# Altium PCB MiniPC.PcbDoc (part 12 of 23) (continued)
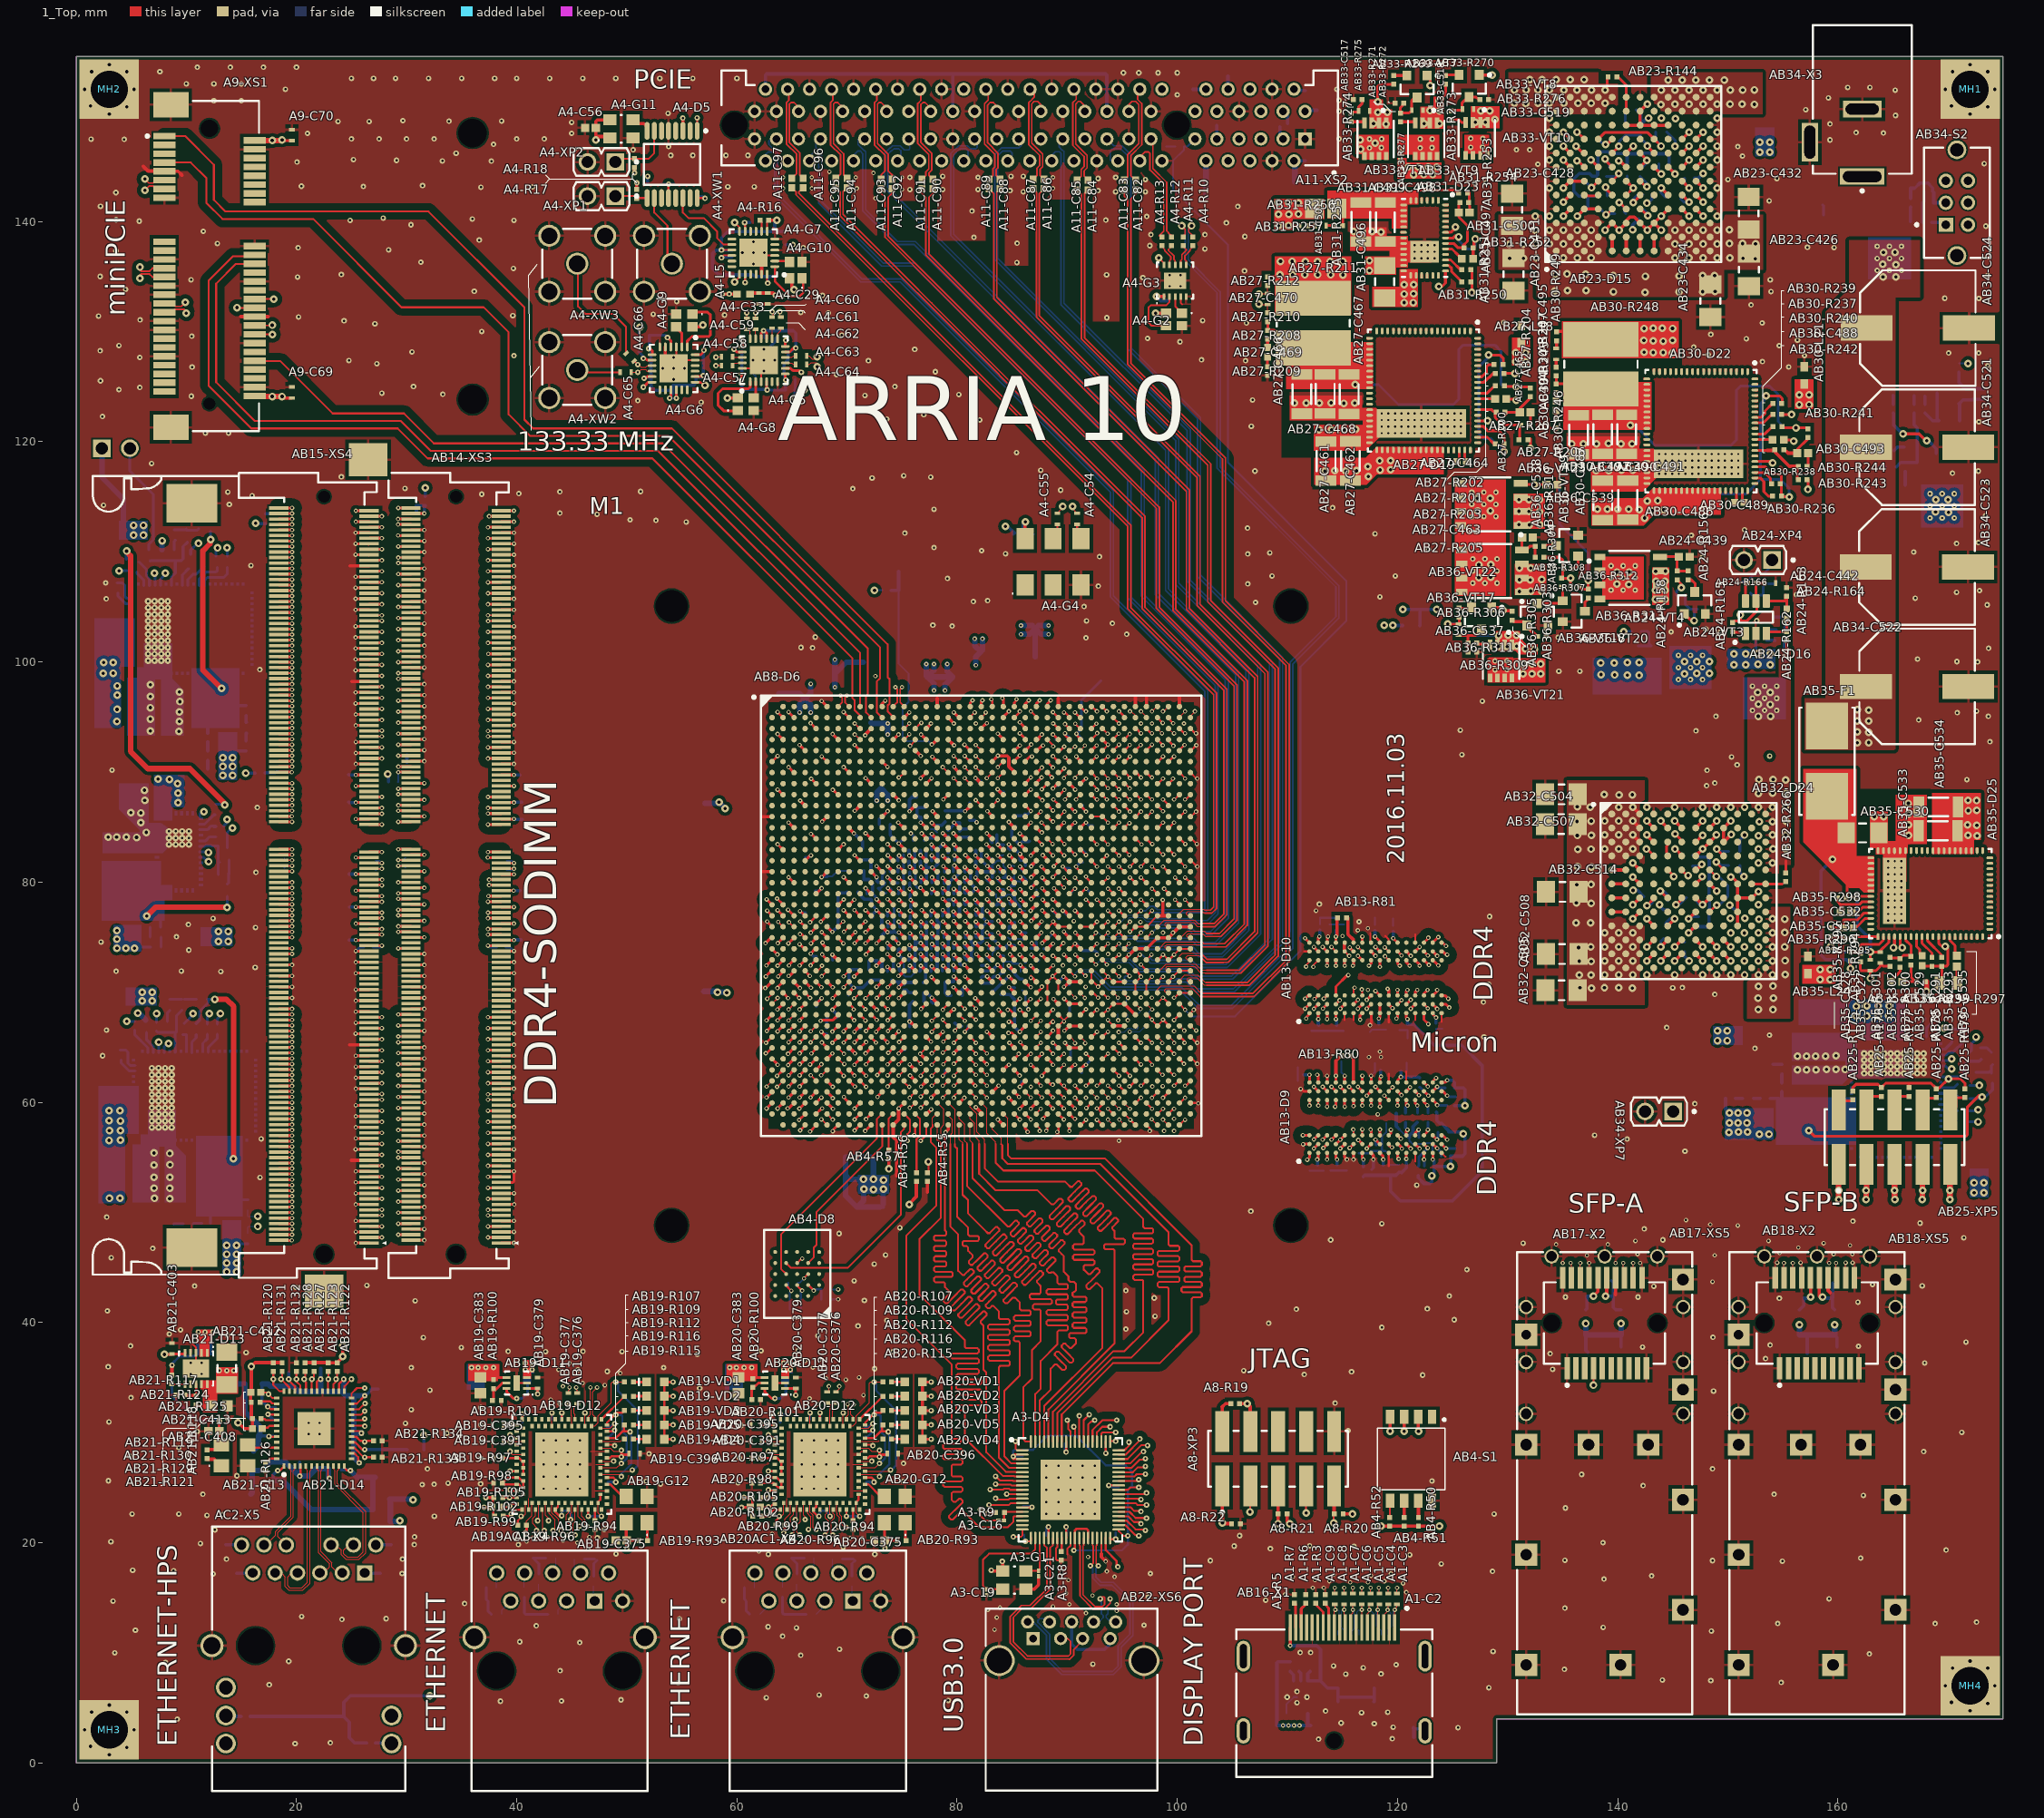
[diagram p0: 1_Top view]
## Nets (pads, with @x,y where several pads share a name; then routed paths per layer and width w, separated by ;. In a path a pad name is that pad's centre, name@x,y a point inside that pad or via, vN(x,y) a via of type N, cw(c..) or ccw(c..) an arc to the next point about the centre after c; other vN are vias at no path point) (continued)
  12_int11_(sign) w0.15: v1(27.75,96.725) 28.4,96.075 29.625,96.075 30.025,96.475 32.025,96.475 32.275,96.725 v1(37.398,96.725)
DDR4_BLK1.DL6.DQ45: AB8-D6.AD5 AB14-XS3.190 AB15-XS4.190 | length 86.6
  1_Top w0.25: AB15-XS4.190@18.4,96.475 v1(19.602,96.475) ; v1(29.25,96.475) AB14-XS3.190@30.4,96.475 ; v1(66.694,72.439) AB8-D6.AD5@67.194,72.939
  5_int4_(sign) w0.15: v1(29.25,96.475) 29.275,96.5 32.15,96.5 36.875,91.775 37.65,91.775 38.2,91.225 40.25,91.225 40.7,90.775 40.7,74.45 41.319,73.831 42.775,73.831 42.925,73.981 42.925,74.849 43.075,74.999 43.375,74.999 43.525,74.849 43.525,73.981 43.675,73.831 43.975,73.831 44.125,73.981 44.125,74.849 44.275,74.999 44.575,74.999 44.725,74.849 44.725,73.981 44.875,73.831 45.175,73.831 45.325,73.981 45.325,74.849 45.475,74.999 45.775,74.999 45.925,74.849 45.925,73.981 46.075,73.831 46.375,73.831 46.525,73.981 46.525,74.849 46.675,74.999 46.975,74.999 47.125,74.849 47.125,73.981 47.275,73.831 47.575,73.831 47.725,73.981 47.725,74.849 47.875,74.999 48.175,74.999 48.325,74.849 48.325,73.981 48.475,73.831 48.775,73.831 48.925,73.981 48.925,74.849 49.075,74.999 49.375,74.999 49.525,74.849 49.525,73.981 49.675,73.831 49.975,73.831 50.125,73.981 50.125,74.849 50.275,74.999 50.575,74.999 50.725,74.849 50.725,73.981 50.875,73.831 51.175,73.831 51.325,73.981 51.325,74.849 51.475,74.999 51.775,74.999 51.925,74.849 51.925,73.981 52.075,73.831 56.669,73.831 57.223,73.277 60.296,73.277 61.712,71.86 66.115,71.86 v1(66.694,72.439)
  10_int9_(sign) w0.15: v1(19.602,96.475) 20.4,96.475 20.65,96.725 25.75,96.725 26.2,97.175 28.45,97.175 29.15,96.475 v1(29.25,96.475)
DDR4_BLK1.DL6.DQ46: AB8-D6.AB6 AB14-XS3.203 AB15-XS4.203 | length 90.2
  1_Top w0.25: AB15-XS4.203@26.6,99.725 v1(27.75,99.725) ; v1(37.398,99.725) AB14-XS3.203@38.6,99.725 ; v1(67.7,75.45) 68.194,74.956 AB8-D6.AB6@68.194,74.939
  5_int4_(sign) w0.15: v1(37.398,99.725) 43.975,99.725 44.231,99.469 44.443,99.469 45.189,100.215 45.401,100.215 45.614,100.003 45.614,99.791 44.682,98.859 44.682,98.647 44.894,98.435 45.106,98.435 46.07,99.398 46.282,99.398 46.494,99.186 46.494,98.974 45.61,98.09 45.53,98.011 45.53,97.798 45.743,97.586 45.955,97.586 46.034,97.666 46.918,98.55 47.13,98.55 47.342,98.338 47.342,98.125 46.458,97.242 46.379,97.162 46.379,96.95 46.591,96.738 46.803,96.738 47.767,97.701 47.979,97.701 48.191,97.489 48.191,97.277 47.307,96.393 47.227,96.314 47.227,96.101 47.44,95.889 47.652,95.889 47.731,95.969 48.615,96.853 48.827,96.853 49.039,96.641 49.039,96.428 48.155,95.545 48.076,95.465 48.076,95.253 48.288,95.041 48.5,95.041 49.464,96.004 49.676,96.004 49.888,95.792 49.888,95.58 49.004,94.696 48.925,94.616 48.925,94.404 49.137,94.192 49.349,94.192 49.428,94.272 50.312,95.156 50.524,95.156 50.736,94.943 50.736,94.731 49.853,93.847 48.969,92.964 48.969,92.751 49.181,92.539 49.393,92.539 51.161,94.307 51.373,94.307 51.585,94.095 51.585,93.883 50.807,93.105 50.807,92.893 51.125,92.575 51.125,92.225 51.275,92.075 52.375,92.075 52.525,91.925 52.525,91.625 52.375,91.475 51.02,91.475 50.87,91.325 50.87,91.025 51.02,90.875 52.375,90.875 52.525,90.725 52.525,90.425 52.375,90.275 51.02,90.275 50.87,90.125 50.87,89.825 51.125,89.57 51.125,89.025 51.981,88.169 52.193,88.169 52.86,88.835 53.072,88.835 53.284,88.623 53.284,88.411 52.511,87.639 52.243,87.371 52.243,87.158 52.456,86.946 52.668,86.946 52.83,87.108 53.042,87.108 57.785,82.365 59.985,82.365 63.05,79.3 64.369,79.3 67.095,76.574 67.095,76.38 67.7,75.775 v1(67.7,75.45)
  12_int11_(sign) w0.15: v1(27.75,99.725) 27.75,99.775 28.325,100.35 29.575,100.35 29.95,99.975 31.975,99.975 32.225,99.725 v1(37.398,99.725)
DDR4_BLK1.DL6.DQ47: AB8-D6.AD6 AB14-XS3.204 AB15-XS4.204 | length 89
  1_Top w0.25: AB15-XS4.204@18.4,99.975 v1(19.602,99.975) ; v1(29.25,99.975) AB14-XS3.204@30.4,99.975 ; v1(67.75,73.425) 67.75,73.383 AB8-D6.AD6@68.194,72.939
  5_int4_(sign) w0.15: v1(29.25,99.975) 31.95,99.975 36.75,95.175 37.6,95.175 38.025,94.75 40.5,94.75 42.875,92.375 42.875,79.125 42.95,79.05 43.4,79.05 43.475,79.125 43.475,79.525 43.625,79.675 44.15,79.675 44.3,79.525 44.3,78.625 44.45,78.475 44.75,78.475 44.9,78.625 44.9,80.725 45.05,80.875 45.35,80.875 45.5,80.725 45.5,79.196 45.65,79.046 45.95,79.046 46.1,79.196 46.1,80.725 46.25,80.875 46.55,80.875 46.7,80.725 46.7,79.59 46.85,79.44 47.15,79.44 47.3,79.59 47.3,80.725 47.45,80.875 47.75,80.875 47.9,80.725 47.9,79.171 48.05,79.021 48.35,79.021 48.5,79.171 48.5,80.725 48.65,80.875 48.95,80.875 49.1,80.725 49.1,79.565 49.25,79.415 49.55,79.415 49.7,79.565 49.7,80.725 49.85,80.875 50.15,80.875 50.3,80.725 50.3,78.921 50.45,78.771 50.75,78.771 50.9,78.921 50.9,79.525 51.05,79.675 51.875,79.675 53.498,78.052 57.598,78.052 59.225,76.425 60.125,76.425 61.715,74.835 64.965,74.835 65.2,74.6 65.2,74.175 65.41,73.965 67.148,73.965 67.688,73.425 v1(67.75,73.425)
  10_int9_(sign) w0.15: v1(19.602,99.975) 20.025,99.975 20.3,99.7 25.75,99.7 26.275,100.225 28.45,100.225 28.7,99.975 v1(29.25,99.975)
DDR4_BLK1.DL6.DQS5_N: AB8-D6.AE6 AB14-XS3.198 AB15-XS4.198 | length 93.3
  1_Top w0.15: AB15-XS4.198@18.4,98.475 v1(19.602,98.475) ; v1(29.251,98.455) 30.38,98.455 AB14-XS3.198@30.4,98.475 ; v1(67.7,71.45) 68.189,71.939 AB8-D6.AE6@68.194,71.939
  5_int4_(sign) w0.13: v1(29.251,98.455) 29.392,98.595 32.106,98.595 36.591,94.11 37.676,94.11 38.286,93.5 40.186,93.5 41.985,91.701 ; 41.985,80.068 41.985,91.701 ; v1(67.7,71.45) 67.675,71.475 67.675,71.575 67.481,71.769 67.176,71.769 67.035,71.91 67.035,72.25 67.069,72.284 67.069,72.595 66.849,72.814 65.661,72.814 64.69,73.785 63.831,73.785 63.826,73.79 63.524,73.79 63.519,73.785 61.425,73.785 59.66,75.55 58.001,75.55 57.425,76.126 57.425,76.725 56.84,77.31 52.501,77.31 52.15,77.661 52.15,78.061 51.886,78.325 51.464,78.325 51.34,78.201 51.34,77.601 51.049,77.31 50.016,77.31 49.7,77.626 49.7,78.475 49.5,78.675 49.09,78.675 48.89,78.475 48.89,77.651 48.549,77.31 47.766,77.31 47.45,77.626 47.45,78.575 47.325,78.7 46.65,78.7 46.515,78.565 46.515,77.626 46.199,77.309 45.574,77.309 45.415,77.151 45.415,76.476 45.124,76.185 44.351,76.185 44.1,76.436 44.1,77.135 43.925,77.31 43.275,77.31 43.19,77.225 43.19,76.501 42.924,76.235 42.201,76.235 41.985,76.451 41.985,91.701
  12_int11_(sign) w0.13: v1(19.602,98.475) 19.7,98.475 19.85,98.625 20.836,98.625 21.351,98.11 28.299,98.11 28.784,98.595 29.111,98.595 v1(29.251,98.455)
DDR4_BLK1.DL6.DQS5_P: AB8-D6.AE5 AB14-XS3.200 AB15-XS4.200 | length 81.9
  1_Top w0.15: AB15-XS4.200@18.4,98.975 v1(19.602,98.975) ; v1(29.25,98.975) AB14-XS3.200@30.4,98.975 ; AB8-D6.AE5@67.194,71.939 67.194,71.819 67.725,72.35 v1(67.725,72.4)
  5_int4_(sign) w0.13: v1(29.25,98.975) 29.39,98.835 32.205,98.835 36.69,94.35 37.775,94.35 38.385,93.74 40.285,93.74 42.225,91.8 42.225,76.55 42.3,76.475 42.825,76.475 42.95,76.6 42.95,77.324 43.176,77.55 44.024,77.55 44.34,77.234 44.34,76.535 44.45,76.425 45.025,76.425 45.175,76.575 45.175,77.25 45.475,77.55 46.1,77.55 46.275,77.725 46.275,78.664 46.551,78.94 47.424,78.94 47.69,78.674 47.69,77.725 47.865,77.55 48.45,77.55 48.65,77.75 48.65,78.574 48.991,78.915 49.599,78.915 49.94,78.574 49.94,77.725 50.115,77.55 50.95,77.55 51.1,77.7 51.1,78.3 51.365,78.565 51.985,78.565 52.39,78.16 52.39,77.76 52.6,77.55 56.939,77.55 57.665,76.824 57.665,76.225 58.1,75.79 59.759,75.79 61.524,74.025 63.419,74.025 63.424,74.03 63.926,74.03 63.931,74.025 64.789,74.025 65.76,73.054 66.949,73.054 67.309,72.694 67.309,72.185 67.275,72.151 67.275,72.009 67.375,72.009 67.725,72.359 v1(67.725,72.4)
  12_int11_(sign) w0.13: v1(19.602,98.975) 19.611,98.975 v1@19.716,98.869 ; v1@19.712,98.865 20.935,98.865 21.45,98.35 28.2,98.35 28.685,98.835 29.11,98.835 v1(29.25,98.975)
DDR4_BLK1.DL7.DM6: AB8-D6.W1 AB14-XS3.220 AB15-XS4.220 | length 82.6
  1_Top w0.25: AB15-XS4.220@18.4,103.975 v1(19.602,103.975) ; v1(29.25,103.975) AB14-XS3.220@30.4,103.975 ; v1(62.7,78.425) 62.708,78.425 AB8-D6.W1@63.194,77.939
  7_int6_(sign) w0.15: v1(29.25,103.975) 32.8,103.975 35.6,106.775 37.8,106.775 38.2,107.175 44.775,107.175 44.925,107.175 45.075,107.325 45.075,107.515 45.225,107.665 45.525,107.665 45.675,107.515 45.675,107.175 45.675,106.885 45.825,106.735 46.125,106.735 46.275,106.885 46.275,107.175 46.275,107.515 46.425,107.665 46.725,107.665 46.875,107.515 46.875,107.175 46.875,106.885 47.025,106.735 47.325,106.735 47.475,106.885 47.475,107.175 47.475,107.515 47.625,107.665 47.925,107.665 48.075,107.515 48.075,107.175 48.075,106.885 48.225,106.735 48.525,106.735 48.675,106.885 48.675,107.175 48.675,107.515 48.825,107.665 49.125,107.665 49.275,107.515 49.275,107.325 49.425,107.175 49.875,107.175 50.075,107.175 50.113,107.213 51.425,108.525 56,108.525 60.725,103.8 60.725,98.5 60.725,98.075 60.575,97.925 59.809,97.925 59.659,97.775 59.659,97.475 59.809,97.325 60.725,97.325 60.875,97.175 60.875,96.875 60.725,96.725 60.43,96.725 60.28,96.575 60.28,96.275 60.43,96.125 60.575,96.125 60.725,95.975 60.725,95.825 60.725,89.525 61.3,88.95 61.3,82.75 62.112,81.937 62.112,79.012 v1(62.7,78.425)
  10_int9_(sign) w0.15: v1(19.602,103.975) 25.8,103.975 26.575,104.75 28.275,104.75 29.05,103.975 v1(29.25,103.975)
DDR4_BLK1.DL7.DQ48: AB8-D6.AB1 AB14-XS3.216 AB15-XS4.216 | length 84.7
  1_Top w0.25: AB15-XS4.216@18.4,102.975 v1(19.602,102.975) ; v1(29.25,102.975) AB14-XS3.216@30.4,102.975 ; v1(62.6,74.45) 63.089,74.939 AB8-D6.AB1@63.194,74.939
  7_int6_(sign) w0.15: v1(29.25,102.975) 30.225,102 32.05,102 32.225,102.175 36.1,102.175 36.275,102 36.275,101.7 36.75,101.225 37.75,101.225 38.365,100.61 42.644,100.61 42.724,100.69 43.412,100.69 45.048,99.054 45.048,98.842 44.993,98.787 44.993,98.575 45.205,98.363 45.417,98.363 45.578,98.524 46.179,99.125 46.391,99.125 46.604,98.913 46.604,98.701 45.935,98.032 45.935,97.82 46.148,97.608 46.36,97.608 47.028,98.276 47.24,98.276 47.452,98.064 47.452,97.852 46.801,97.201 46.801,96.989 47.013,96.777 47.226,96.777 47.876,97.428 48.089,97.428 48.301,97.216 48.301,97.004 47.65,96.353 47.65,96.141 47.862,95.929 48.074,95.929 48.124,95.978 48.725,96.579 48.937,96.579 49.149,96.367 49.149,96.155 48.495,95.501 48.495,95.289 48.707,95.077 48.919,95.077 49.573,95.731 49.786,95.731 49.998,95.519 49.998,95.307 49.397,94.706 49.236,94.545 49.236,94.333 49.448,94.12 49.66,94.12 49.821,94.281 50.422,94.882 50.634,94.882 50.846,94.67 50.846,94.458 50.178,93.79 50.178,93.578 50.39,93.366 50.602,93.366 51.27,94.034 51.483,94.034 51.695,93.822 51.695,93.609 51.044,92.959 51.044,92.747 51.256,92.534 51.468,92.534 51.518,92.584 52.119,93.185 52.331,93.185 52.543,92.973 52.543,92.761 51.341,91.559 51.341,91.347 51.553,91.135 51.765,91.135 52.968,92.337 53.18,92.337 53.392,92.125 53.392,91.912 52.897,91.417 52.897,91.205 53.5,90.602 53.5,82.178 57.755,77.922 58.05,77.922 61.522,74.45 v1(62.6,74.45)
  10_int9_(sign) w0.15: v1(19.602,102.975) 21.325,102.975 21.55,102.75 25.75,102.75 26.3,103.3 28.55,103.3 28.875,102.975 v1(29.25,102.975)
DDR4_BLK1.DL7.DQ49: AB8-D6.AB4 AB14-XS3.215 AB15-XS4.215 | length 87.2
  1_Top w0.25: AB15-XS4.215@26.6,102.725 26.625,102.7 26.655,102.73 v1(27.751,102.73) ; v1(37.398,102.725) AB14-XS3.215@38.6,102.725 ; v1(65.728,75.279) 65.855,75.279 AB8-D6.AB4@66.194,74.939
  7_int6_(sign) w0.15: v1(37.398,102.725) 37.448,102.775 40.05,102.775 40.2,102.925 40.2,103.1 40.35,103.25 40.65,103.25 40.8,103.1 40.8,102.925 40.95,102.775 41.25,102.775 41.4,102.925 41.4,103.1 41.55,103.25 41.85,103.25 42,103.1 42,102.925 42.15,102.775 42.45,102.775 42.6,102.925 42.6,103.1 42.75,103.25 43.05,103.25 43.2,103.1 43.2,102.925 43.35,102.775 43.65,102.775 43.8,102.925 43.8,103.1 43.95,103.25 44.25,103.25 44.4,103.1 44.4,102.385 44.55,102.235 44.85,102.235 45,102.385 45,103.1 45.15,103.25 45.45,103.25 45.6,103.1 45.6,102.925 45.75,102.775 46.35,102.775 47.061,102.064 47.061,101.904 47.326,101.639 47.486,101.639 48.314,102.468 48.526,102.468 48.738,102.256 48.738,102.043 47.91,101.215 47.91,101.055 48.174,100.791 48.334,100.791 49.163,101.619 49.375,101.619 49.587,101.407 49.587,101.195 48.758,100.367 48.758,100.207 49.023,99.942 49.183,99.942 50.011,100.771 50.223,100.771 50.435,100.559 50.435,100.346 49.607,99.518 49.607,99.358 49.871,99.094 50.031,99.094 50.86,99.922 51.072,99.922 51.284,99.71 51.284,99.498 50.455,98.67 50.455,98.51 50.72,98.245 50.88,98.245 51.708,99.074 51.92,99.074 52.132,98.861 52.132,98.649 51.304,97.821 51.304,97.661 51.568,97.397 51.728,97.397 52.557,98.225 52.769,98.225 52.981,98.013 52.981,97.801 52.153,96.972 52.153,96.813 52.417,96.548 52.577,96.548 53.405,97.377 53.617,97.377 53.829,97.164 53.829,96.952 53.001,96.124 53.001,95.964 53.265,95.7 53.425,95.7 54.254,96.528 54.466,96.528 54.678,96.316 54.678,96.104 53.956,95.381 53.956,95.169 54.52,94.605 54.52,94.325 54.27,94.075 53.675,94.075 53.45,93.85 53.45,93.7 53.9,93.25 54.25,93.25 54.52,92.98 54.52,83.487 57.366,80.641 57.441,80.641 57.575,80.775 57.875,80.775 58.075,80.575 58.075,80.4 57.925,80.25 57.925,80.082 58.307,79.7 58.5,79.7 58.725,79.925 59.025,79.925 59.2,79.75 59.2,79.425 59,79.225 59,79.007 59.4,78.607 59.4,78.053 62.103,75.35 65.657,75.35 v1(65.728,75.279)
  12_int11_(sign) w0.15: v1(27.751,102.73) 28.371,103.35 29.6,103.35 29.975,102.975 32.1,102.975 32.35,102.725 v1(37.398,102.725)
DDR4_BLK1.DL7.DQ50: AB8-D6.Y3 AB14-XS3.228 AB15-XS4.228 | length 85
  1_Top w0.25: AB15-XS4.228@18.4,105.975 v1(19.602,105.975) ; v1(29.25,105.975) AB14-XS3.228@30.4,105.975 ; v1(64.65,77.475) 64.658,77.475 AB8-D6.Y3@65.194,76.939
  7_int6_(sign) w0.15: v1(29.25,105.975) 32.35,105.975 35.1,108.725 37.75,108.725 38.25,109.225 39.9,109.225 40.75,110.075 44.7,110.075 44.85,110.075 45,110.225 45,111.144 45.15,111.294 45.45,111.294 45.6,111.144 45.6,110.075 45.6,109.016 45.75,108.866 46.05,108.866 46.2,109.016 46.2,110.075 46.2,111.144 46.35,111.294 46.65,111.294 46.8,111.144 46.8,110.225 46.95,110.075 48.475,110.075 56.85,110.075 62.25,104.675 62.25,91.05 62.825,90.475 62.825,83.425 63.638,82.612 63.638,79.513 64.65,78.5 v1(64.65,77.475)
  10_int9_(sign) w0.15: v1(19.602,105.975) 21.375,105.975 21.625,106.225 25.975,106.225 26.4,106.65 28.025,106.65 28.7,105.975 v1(29.25,105.975)
DDR4_BLK1.DL7.DQ51: AB8-D6.Y1 AB14-XS3.229 AB15-XS4.229 | length 82.5
  1_Top w0.25: AB15-XS4.229@26.6,106.225 26.625,106.2 26.655,106.23 v1(27.751,106.23) ; v1(37.398,106.225) AB14-XS3.229@38.6,106.225 ; v1(62.75,77.4) 62.75,77.383 AB8-D6.Y1@63.194,76.939
  7_int6_(sign) w0.15: v1(37.398,106.225) 40.625,106.225 40.775,106.225 40.925,106.375 40.925,106.493 41.075,106.643 41.375,106.643 41.525,106.493 41.525,106.225 41.525,105.982 41.675,105.832 41.975,105.832 42.125,105.982 42.125,106.225 42.125,106.493 42.275,106.643 42.575,106.643 42.725,106.493 42.725,106.225 42.725,105.982 42.875,105.832 43.175,105.832 43.325,105.982 43.325,106.225 43.325,106.493 43.475,106.643 43.775,106.643 43.925,106.493 43.925,106.225 43.925,105.982 44.075,105.832 44.375,105.832 44.525,105.982 44.525,106.075 44.675,106.225 45.275,106.225 50.675,106.225 52.1,107.65 55.475,107.65 58.4,104.725 58.4,104.5 58.4,104.2 58.4,103.75 58.25,103.6 57.15,103.6 57,103.45 57,103.15 57.15,103 58.4,103 59.365,103 59.515,102.85 59.515,102.55 59.365,102.4 58.4,102.4 57.15,102.4 57,102.25 57,101.95 57.15,101.8 58.4,101.8 59.365,101.8 59.515,101.65 59.515,101.35 59.365,101.2 58.4,101.2 57.15,101.2 57,101.05 57,100.75 57.15,100.6 58.4,100.6 59.365,100.6 59.515,100.45 59.515,100.15 59.365,100 58.55,100 58.4,99.85 58.4,99.4 58.4,99.025 58.4,98.725 58.4,98.125 58.4,97.525 58.4,97.425 58.4,97.1 59.95,95.55 59.95,88.95 60.75,88.15 60.75,82.45 61.574,81.626 61.574,78.576 v1(62.75,77.4)
  12_int11_(sign) w0.15: v1(27.751,106.23) 27.971,106.45 29.475,106.45 29.975,105.95 31.875,105.95 32.15,106.225 v1(37.398,106.225)
DDR4_BLK1.DL7.DQ52: AB8-D6.AC4 AB14-XS3.211 AB15-XS4.211 | length 86.8
  1_Top w0.25: AB15-XS4.211@26.6,101.725 26.625,101.7 26.655,101.73 v1(27.751,101.73) ; v1(37.398,101.725) AB14-XS3.211@38.6,101.725 ; v1(65.7,74.35) 66.111,73.939 AB8-D6.AC4@66.194,73.939
  7_int6_(sign) w0.15: v1(37.398,101.725) 40.275,101.725 40.425,101.875 40.425,102.115 40.575,102.265 40.875,102.265 41.025,102.115 41.025,101.27 41.175,101.12 41.475,101.12 41.625,101.27 41.625,102.115 41.775,102.265 42.075,102.265 42.225,102.115 42.225,101.348 42.375,101.198 42.675,101.198 42.825,101.348 42.825,102.115 42.975,102.265 43.275,102.265 43.425,102.115 43.425,101.323 43.575,101.173 43.875,101.173 44.025,101.323 44.025,101.575 44.175,101.725 44.65,101.725 45.255,101.12 45.255,100.908 44.76,100.413 44.76,100.2 44.972,99.988 45.185,99.988 45.786,100.589 46.614,101.418 46.826,101.418 47.038,101.206 47.038,100.993 46.21,100.165 46.104,100.059 46.104,99.847 46.316,99.635 46.528,99.635 46.634,99.741 47.463,100.569 47.675,100.569 47.887,100.357 47.887,100.145 47.058,99.317 47.058,99.143 47.31,98.892 47.483,98.892 48.311,99.721 48.523,99.721 48.735,99.509 48.735,99.296 47.907,98.468 47.907,98.295 48.158,98.044 48.331,98.044 49.16,98.872 49.372,98.872 49.584,98.66 49.584,98.448 48.756,97.619 48.756,97.446 49.007,97.195 49.18,97.195 50.008,98.024 50.22,98.024 50.432,97.811 50.432,97.599 49.604,96.771 49.604,96.598 49.855,96.347 50.028,96.347 50.857,97.175 51.069,97.175 51.281,96.963 51.281,96.751 50.453,95.922 50.453,95.749 50.704,95.498 50.877,95.498 51.705,96.327 51.917,96.327 52.129,96.114 52.129,95.902 51.301,95.074 51.301,94.901 51.552,94.65 51.725,94.65 52.554,95.478 52.766,95.478 52.978,95.266 52.978,95.054 52.15,94.225 52.15,94.052 52.401,93.801 52.574,93.801 54.01,92.365 54.01,91.71 53.875,91.575 53.875,90.96 54.01,90.825 54.01,82.389 56.163,80.236 56.489,80.236 61.816,74.909 65.141,74.909 v1(65.7,74.35)
  12_int11_(sign) w0.15: v1(27.751,101.73) 28.371,102.35 29.405,102.35 29.78,101.975 32,101.975 32.25,101.725 v1(37.398,101.725)
DDR4_BLK1.DL7.DQ53: AB8-D6.AB2 AB14-XS3.212 AB15-XS4.212 | length 84.6
  1_Top w0.25: AB15-XS4.212@18.4,101.975 v1(19.602,101.975) ; v1(29.25,101.975) AB14-XS3.212@30.4,101.975 ; v1(63.725,74.45) 63.725,74.47 AB8-D6.AB2@64.194,74.939
  7_int6_(sign) w0.15: v1(29.25,101.975) 30.05,101.175 30.05,100.725 30.775,100 32.15,100 32.45,100.3 32.45,101.35 32.675,101.575 33.15,101.575 33.375,101.35 33.375,100.175 33.55,100 34.15,100 34.3,100.15 34.3,101.4 34.5,101.6 34.975,101.6 35.25,101.325 35.25,100.15 35.4,100 36.575,100 36.8,100.225 37.875,100.225 38.26,99.84 41.885,99.84 42.158,99.567 42.423,99.567 42.83,99.974 43.095,99.974 43.36,99.709 43.36,99.444 42.82,98.905 42.82,98.773 43.219,98.374 43.351,98.374 43.89,98.914 44.156,98.914 44.421,98.649 44.421,98.383 43.881,97.844 43.881,97.712 44.28,97.314 44.411,97.314 44.951,97.853 45.216,97.853 45.481,97.588 45.481,97.323 44.942,96.783 44.942,96.652 45.341,96.253 45.472,96.253 46.012,96.792 46.277,96.792 46.542,96.527 46.542,96.262 46.002,95.723 46.002,95.591 46.401,95.192 46.533,95.192 47.072,95.732 47.338,95.732 47.603,95.467 47.603,95.201 47.063,94.662 47.063,94.53 47.462,94.132 47.593,94.132 48.133,94.671 48.398,94.671 48.663,94.406 48.663,94.141 48.124,93.601 48.124,93.47 48.523,93.071 48.654,93.071 49.194,93.61 49.459,93.61 49.724,93.345 49.724,93.08 49.184,92.541 49.184,92.409 49.583,92.01 49.715,92.01 50.254,92.55 50.52,92.55 50.785,92.285 50.785,92.02 50.378,91.612 50.378,91.347 52.99,88.735 52.99,79.21 55.149,77.051 58.201,77.051 61.311,73.94 63.215,73.94 v1(63.725,74.45)
  10_int9_(sign) w0.15: v1(19.602,101.975) 21.725,101.975 22,101.7 25.725,101.7 26.275,102.25 28.5,102.25 28.775,101.975 v1(29.25,101.975)
DDR4_BLK1.DL7.DQ54: AB8-D6.Y2 AB14-XS3.224 AB15-XS4.224 | length 84.9
  1_Top w0.25: AB15-XS4.224@18.4,104.975 v1(19.602,104.975) ; v1(29.25,104.975) AB14-XS3.224@30.4,104.975 ; v1(63.694,77.439) AB8-D6.Y2@64.194,76.939
  7_int6_(sign) w0.15: v1(29.25,104.975) 32.975,104.975 35.725,107.725 37.925,107.725 38.375,108.175 40.55,108.175 40.7,108.175 40.85,108.325 40.85,109.259 41,109.409 41.3,109.409 41.45,109.259 41.45,108.175 41.45,107.991 41.6,107.841 41.9,107.841 42.05,107.991 42.05,108.175 42.05,109.259 42.2,109.409 42.5,109.409 42.65,109.259 42.65,108.175 42.65,107.991 42.8,107.841 43.1,107.841 43.25,107.991 43.25,108.175 43.25,109.259 43.4,109.409 43.7,109.409 43.85,109.259 43.85,108.325 44,108.175 45.675,108.175 49.65,108.175 50.675,109.2 56.825,109.2 61.5,104.525 61.5,90.225 61.975,89.75 61.975,83.225 62.713,82.487 62.713,79.613 63.15,79.175 63.15,77.983 v1(63.694,77.439)
  10_int9_(sign) w0.15: v1(19.602,104.975) 21.975,104.975 22.225,105.225 25.975,105.225 26.45,105.7 28.225,105.7 28.95,104.975 v1(29.25,104.975)
DDR4_BLK1.DL7.DQ55: AB8-D6.AA4 AB14-XS3.225 AB15-XS4.225 | length 87.3
  1_Top w0.25: AB15-XS4.225@26.6,105.225 26.625,105.2 26.655,105.23 v1(27.751,105.23) ; v1(37.398,105.225) AB14-XS3.225@38.6,105.225 ; v1(65.75,76.425) 65.75,76.383 AB8-D6.AA4@66.194,75.939
  7_int6_(sign) w0.15: v1(37.398,105.225) 37.473,105.3 48.925,105.3 49.505,104.72 49.505,104.508 49.421,104.423 49.421,104.211 49.633,103.999 49.845,103.999 50.036,104.189 50.845,104.998 51.057,104.998 51.269,104.786 51.269,104.574 50.46,103.765 50.271,103.576 50.271,103.364 50.483,103.152 50.695,103.152 50.884,103.341 51.693,104.15 51.905,104.15 52.117,103.938 52.117,103.725 51.308,102.917 51.12,102.728 51.12,102.516 51.332,102.304 51.544,102.304 52.542,103.301 52.754,103.301 52.966,103.089 52.966,102.877 52.157,102.068 51.968,101.879 51.968,101.667 52.18,101.455 52.393,101.455 52.581,101.644 53.39,102.453 53.602,102.453 53.814,102.241 53.814,102.028 53.005,101.22 52.817,101.031 52.817,100.819 53.029,100.607 53.241,100.607 54.239,101.604 54.451,101.604 54.663,101.392 54.663,101.18 53.854,100.371 53.665,100.182 53.665,99.97 53.877,99.758 54.09,99.758 54.278,99.947 55.087,100.756 55.299,100.756 55.511,100.543 55.511,100.331 54.703,99.522 54.514,99.334 54.514,99.122 54.726,98.909 54.938,98.909 55.127,99.098 55.936,99.907 56.148,99.907 56.36,99.695 56.36,99.483 55.551,98.674 55.362,98.485 55.362,98.273 55.574,98.061 55.787,98.061 55.975,98.25 56.784,99.059 56.996,99.059 57.209,98.846 57.209,98.634 56.4,97.825 56.211,97.637 56.211,97.425 56.423,97.212 56.635,97.212 56.718,97.295 56.93,97.295 59.225,95 59.225,88.375 60.15,87.45 60.15,81.675 60.95,80.875 60.95,78.35 62.425,76.875 65.15,76.875 65.6,76.425 v1(65.75,76.425)
  12_int11_(sign) w0.15: v1(27.751,105.23) 27.996,105.475 29.8,105.475 30.325,104.95 31.9,104.95 32.175,105.225 v1(37.398,105.225)
DDR4_BLK1.DL7.DQS6_N: AB8-D6.AA3 AB14-XS3.219 AB15-XS4.219 | length 85.5
  1_Top w0.15: AB15-XS4.219@26.6,103.725 26.625,103.75 26.695,103.68 26.765,103.75 26.81,103.705 26.83,103.725 v1(27.75,103.725) ; v1(37.402,103.705) 38.58,103.705 AB14-XS3.219@38.6,103.725 ; v1(64.725,76.35) 65.061,76.014 65.119,76.014 AB8-D6.AA3@65.194,75.939
  7_int6_(sign) w0.13: v1(37.402,103.705) 37.547,103.85 40,103.85 40.7,104.55 40.886,104.55 41.586,103.85 41.975,103.85 42.66,104.535 42.901,104.535 43.586,103.85 43.999,103.85 44.659,104.51 44.99,104.51 45.65,103.85 46.5,103.85 47.4,102.95 48.089,102.95 48.138,102.999 48.489,103.35 49.2,103.35 57.1,95.45 57.1,95.075 56.94,94.915 55.401,94.915 55.06,94.574 55.06,93.801 55.386,93.475 57.65,93.475 57.8,93.325 57.8,91.85 57.715,91.765 55.451,91.765 55.135,91.449 55.135,90.701 55.386,90.45 57.65,90.45 57.8,90.3 57.8,89.275 57.665,89.14 55.426,89.14 55.16,88.874 55.16,88.116 55.451,87.825 57.35,87.825 57.45,87.725 57.45,87 57.34,86.89 55.426,86.89 55.135,86.599 55.135,85.866 55.401,85.6 57.225,85.6 57.35,85.475 57.35,84.85 57.24,84.74 55.351,84.74 55.11,84.499 55.11,83.751 55.386,83.475 56.75,83.475 56.935,83.29 56.935,82.701 57.251,82.385 58.701,82.385 59.06,82.026 59.06,81.101 59.351,80.81 59.765,80.81 59.893,80.683 59.893,78.958 60.21,78.641 60.21,77.951 62.401,75.76 64.217,75.76 64.357,75.901 64.357,76.225 64.482,76.35 v1(64.725,76.35)
  12_int11_(sign) w0.13: v1(27.75,103.725) 27.875,103.725 27.975,103.825 28.25,103.825 28.795,104.37 29.741,104.37 30.251,103.86 32.875,103.86 32.885,103.85 37.257,103.85 v1(37.402,103.705)
DDR4_BLK1.DL7.DQS6_P: AB8-D6.AA2 AB14-XS3.221 AB15-XS4.221 | length 85.2
  1_Top w0.15: AB15-XS4.221@26.6,104.225 26.625,104.2 26.65,104.225 v1(27.75,104.225) ; v1(37.398,104.225) AB14-XS3.221@38.6,104.225 ; v1(63.75,76.375) 63.75,76.383 AB8-D6.AA2@64.194,75.939
  7_int6_(sign) w0.13: v1(37.398,104.225) 37.398,104.152 37.46,104.09 37.875,104.09 37.935,104.15 38.25,104.15 38.31,104.09 39.901,104.09 40.601,104.79 40.985,104.79 41.685,104.09 41.876,104.09 42.561,104.775 43,104.775 43.685,104.09 43.9,104.09 44.56,104.75 45.089,104.75 45.749,104.09 46.599,104.09 47.499,103.19 47.99,103.19 48.039,103.239 48.39,103.59 49.299,103.59 57.34,95.549 57.34,94.976 57.039,94.675 55.5,94.675 55.3,94.475 55.3,93.9 55.485,93.715 57.749,93.715 58.04,93.424 58.04,91.751 57.814,91.525 55.55,91.525 55.375,91.35 55.375,90.8 55.485,90.69 57.749,90.69 58.04,90.399 58.04,89.176 57.764,88.9 55.525,88.9 55.4,88.775 55.4,88.215 55.55,88.065 57.449,88.065 57.69,87.824 57.69,86.901 57.439,86.65 55.525,86.65 55.375,86.5 55.375,85.965 55.5,85.84 57.324,85.84 57.59,85.574 57.59,84.751 57.339,84.5 55.45,84.5 55.35,84.4 55.35,83.85 55.485,83.715 56.849,83.715 57.175,83.389 57.175,82.8 57.35,82.625 58.8,82.625 59.3,82.125 59.3,81.2 59.45,81.05 59.864,81.05 60.133,80.782 60.133,79.058 60.45,78.74 60.45,78.05 62.5,76 64.117,76 64.117,76.225 63.967,76.375 v1(63.75,76.375)
  12_int11_(sign) w0.13: v1(27.75,104.225) 27.78,104.225 27.94,104.065 28.151,104.065 28.696,104.61 29.84,104.61 30.35,104.1 37.273,104.1 v1(37.398,104.225)
DDR4_BLK1.DL8.DM7: AB8-D6.AA10 AB14-XS3.241 AB15-XS4.241 | length 91.2
  1_Top w0.25: AB15-XS4.241@26.6,109.225 v1(27.75,109.225) ; v1(37.398,109.225) AB14-XS3.241@38.6,109.225 ; v1(71.694,75.439) AB8-D6.AA10@72.194,75.939
  5_int4_(sign) w0.15: v1(37.398,109.225) 40.6,109.225 40.75,109.225 40.9,109.375 40.9,109.565 41.05,109.715 41.35,109.715 41.5,109.565 41.5,109.225 41.5,108.885 41.65,108.735 41.95,108.735 42.1,108.885 42.1,109.225 42.1,109.565 42.25,109.715 42.55,109.715 42.7,109.565 42.7,109.225 42.7,108.885 42.85,108.735 43.15,108.735 43.3,108.885 43.3,109.225 43.3,109.565 43.45,109.715 43.75,109.715 43.9,109.565 43.9,109.225 43.9,108.885 44.05,108.735 44.35,108.735 44.5,108.885 44.5,109.225 44.5,109.565 44.65,109.715 44.95,109.715 45.1,109.565 45.1,109.225 45.1,108.885 45.25,108.735 45.55,108.735 45.7,108.885 45.7,109.225 45.7,109.565 45.85,109.715 46.15,109.715 46.3,109.565 46.3,109.225 46.3,108.885 46.45,108.735 46.75,108.735 46.9,108.885 46.9,109.225 46.9,109.565 47.05,109.715 47.35,109.715 47.5,109.565 47.5,109.225 47.5,108.885 47.65,108.735 47.95,108.735 48.1,108.885 48.1,109.225 48.1,109.565 48.25,109.715 48.55,109.715 48.7,109.565 48.7,109.225 48.7,108.885 48.85,108.735 49.15,108.735 49.3,108.885 49.3,109.225 49.3,109.565 49.45,109.715 49.75,109.715 49.9,109.565 49.9,109.375 50.05,109.225 50.5,109.225 50.615,109.225 51.21,109.82 57.955,109.82 60.125,107.65 60.21,107.565 60.21,107.352 60.085,107.227 60.085,107.014 60.297,106.802 60.509,106.802 60.741,107.034 60.945,107.034 61.165,106.814 61.165,106.61 60.809,106.254 60.809,106.042 61.021,105.829 61.233,105.829 61.589,106.186 61.793,106.186 62.014,105.965 62.014,105.761 62.438,105.337 62.65,105.125 62.775,105 62.775,91.372 63.222,90.925 66.025,90.925 68,88.95 68,88.3 71.125,85.175 71.65,85.175 73.155,83.67 73.155,76.9 v1(71.694,75.439)
  12_int11_(sign) w0.15: v1(27.75,109.225) 28.4,109.875 29.7,109.875 30.35,109.225 v1(37.398,109.225)